# EAGLE board Mk4 Final a Panel score (EAGLE 9.0.1), part 7 of 24 (continued)
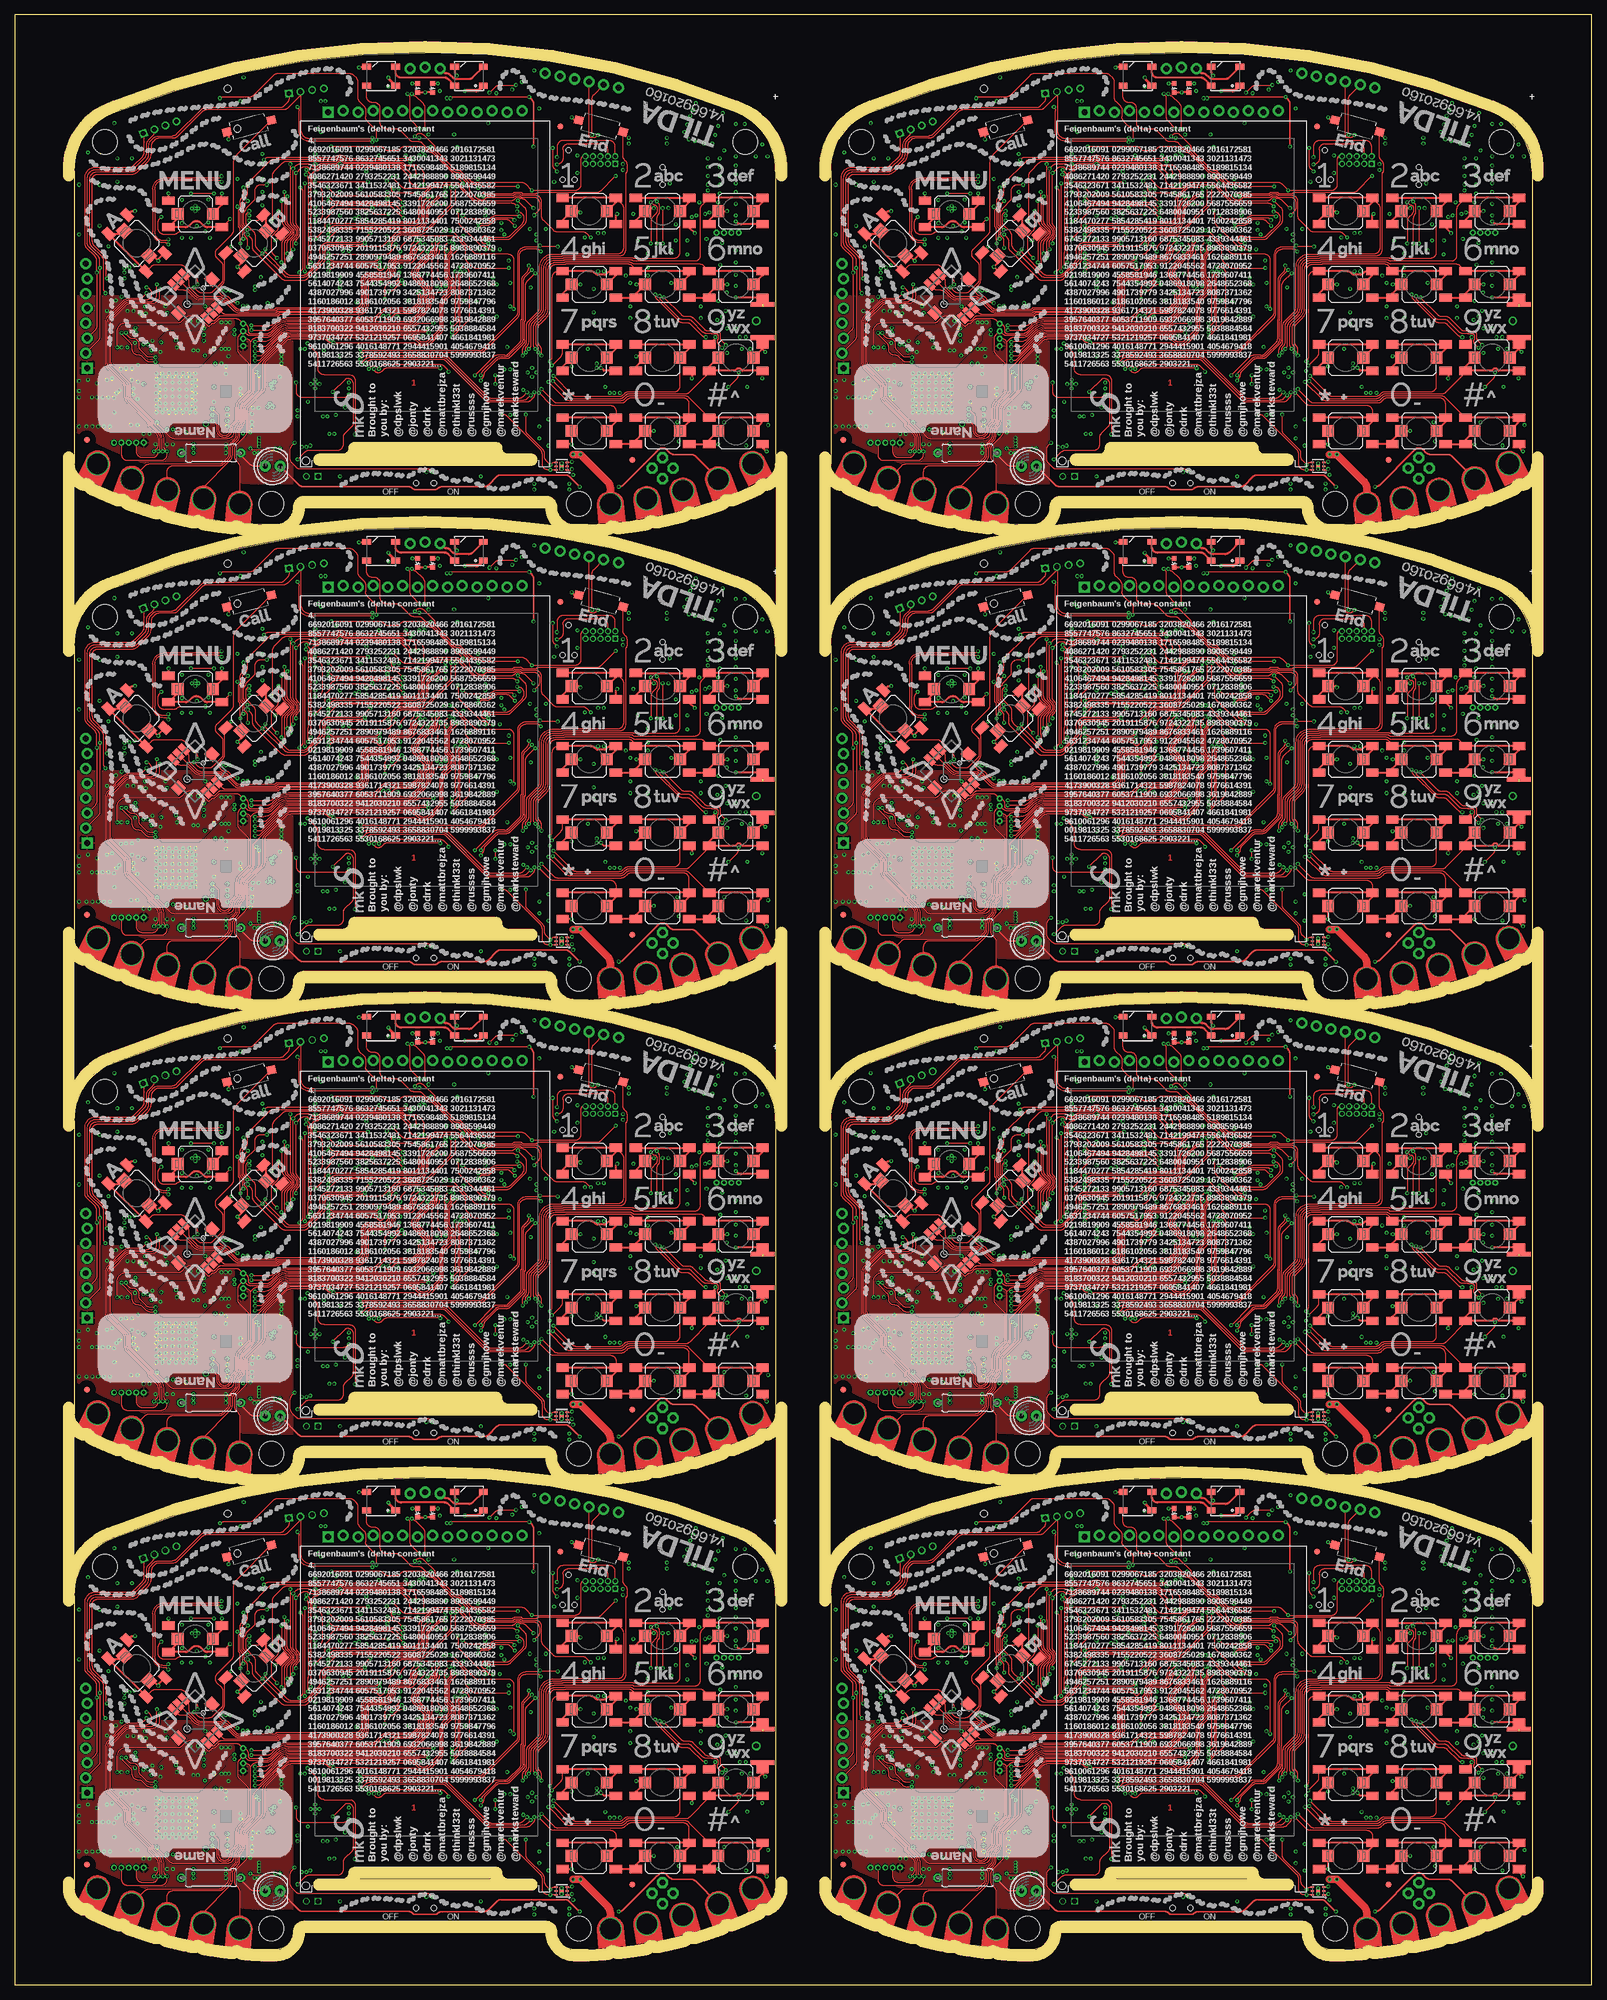
[diagram p0: board, top side]
## Tracks (layer width: path | path; a pad name or v marks a point on that pad's centre or on a via) (continued)
  Bottom 0.2: IC46.1 29.83,142.86 arc-45 30.05,143.4 v30.05,143.5 R233.1
AMP_!SHUTDOWN3  (via drill 0.3)
  Top 0.15: v163,143.5 v159.05,143.5
  3V3@2 0.15: v187.75,139.5 187.75,139.05 187.55,138.85 187.55,130.55 v184.5,127.5
  Bottom 0.15: IC56.46 190.78,139 arc45 190.42,138.85 190.29,138.72 arc-45 189.94,138.57 188.88,138.57 arc-45 188.53,138.72 v187.75,139.5 | v184.5,127.5 184.09,127.91 arc45 183.39,128.2 170.78,128.2 arc-45 170.64,128.26 170.56,128.34 arc45 170.42,128.4 169.76,128.4 arc-45 169.06,128.69 168.54,129.21 arc-45 168.25,129.91 168.25,131.34 arc45 167.96,132.04 166.47,133.53 arc45 166.12,133.68 165.91,133.68 arc-90 165.18,134.41 arc45 164.88,135.12 164.79,135.21 arc-45 164.5,135.91 164.5,140.59 arc45 164.21,141.29 163.29,142.21 arc-45 163,142.91 v163,143.5
  Bottom 0.2: IC64.1 158.82,142.86 arc-45 159.05,143.4 v159.05,143.5 R311.1
AMP_!SHUTDOWN4  (via drill 0.3)
  Top 0.15: v34,224.5 v30.05,224.5
  3V3@2 0.15: v58.75,220.5 58.75,220.05 58.55,219.85 58.55,211.55 v55.5,208.5
  Bottom 0.15: IC74.46 61.77,220 arc45 61.42,219.85 61.29,219.72 arc-45 60.94,219.57 59.88,219.57 arc-45 59.53,219.72 v58.75,220.5 | v55.5,208.5 55.09,208.91 arc45 54.39,209.2 41.78,209.2 arc-45 41.64,209.26 41.56,209.34 arc45 41.42,209.4 40.76,209.4 arc-45 40.06,209.69 39.54,210.21 arc-45 39.25,210.91 39.25,212.34 arc45 38.96,213.04 37.47,214.53 arc45 37.12,214.68 36.91,214.68 arc-90 36.17,215.41 arc45 35.88,216.12 35.79,216.21 arc-45 35.5,216.91 35.5,221.59 arc45 35.21,222.29 34.29,223.21 arc-45 34,223.91 v34,224.5
  Bottom 0.2: IC82.1 29.83,223.86 arc-45 30.05,224.4 v30.05,224.5 R389.1
AMP_!SHUTDOWN5  (via drill 0.3)
  Top 0.15: v163,224.5 v159.05,224.5
  3V3@2 0.15: v187.75,220.5 187.75,220.05 187.55,219.85 187.55,211.55 v184.5,208.5
  Bottom 0.15: IC92.46 190.78,220 arc45 190.42,219.85 190.29,219.72 arc-45 189.94,219.57 188.88,219.57 arc-45 188.53,219.72 v187.75,220.5 | v184.5,208.5 184.09,208.91 arc45 183.39,209.2 170.78,209.2 arc-45 170.64,209.26 170.56,209.34 arc45 170.42,209.4 169.76,209.4 arc-45 169.06,209.69 168.54,210.21 arc-45 168.25,210.91 168.25,212.34 arc45 167.96,213.04 166.47,214.53 arc45 166.12,214.68 165.91,214.68 arc-90 165.18,215.41 arc45 164.88,216.12 164.79,216.21 arc-45 164.5,216.91 164.5,221.59 arc45 164.21,222.29 163.29,223.21 arc-45 163,223.91 v163,224.5
  Bottom 0.2: IC100.1 158.82,223.86 arc-45 159.05,224.4 v159.05,224.5 R467.1
AMP_!SHUTDOWN6  (via drill 0.3)
  Top 0.15: v34,305.5 v30.05,305.5
  3V3@2 0.15: v58.75,301.5 58.75,301.05 58.55,300.85 58.55,292.55 v55.5,289.5
  Bottom 0.15: IC110.46 61.77,301 arc45 61.42,300.85 61.29,300.72 arc-45 60.94,300.57 59.88,300.57 arc-45 59.53,300.72 v58.75,301.5 | v55.5,289.5 55.09,289.91 arc45 54.39,290.2 41.78,290.2 arc-45 41.64,290.26 41.56,290.34 arc45 41.42,290.4 40.76,290.4 arc-45 40.06,290.69 39.54,291.21 arc-45 39.25,291.91 39.25,293.34 arc45 38.96,294.04 37.47,295.53 arc45 37.12,295.68 36.91,295.68 arc-90 36.17,296.41 arc45 35.88,297.12 35.79,297.21 arc-45 35.5,297.91 35.5,302.59 arc45 35.21,303.29 34.29,304.21 arc-45 34,304.91 v34,305.5
  Bottom 0.2: IC118.1 29.83,304.86 arc-45 30.05,305.4 v30.05,305.5 R545.1
AMP_!SHUTDOWN7  (via drill 0.3)
  Top 0.15: v163,305.5 v159.05,305.5
  3V3@2 0.15: v187.75,301.5 187.75,301.05 187.55,300.85 187.55,292.55 v184.5,289.5
  Bottom 0.15: IC128.46 190.78,301 arc45 190.42,300.85 190.29,300.72 arc-45 189.94,300.57 188.88,300.57 arc-45 188.53,300.72 v187.75,301.5 | v184.5,289.5 184.09,289.91 arc45 183.39,290.2 170.78,290.2 arc-45 170.64,290.26 170.56,290.34 arc45 170.42,290.4 169.76,290.4 arc-45 169.06,290.69 168.54,291.21 arc-45 168.25,291.91 168.25,293.34 arc45 167.96,294.04 166.47,295.53 arc45 166.12,295.68 165.91,295.68 arc-90 165.18,296.41 arc45 164.88,297.12 164.79,297.21 arc-45 164.5,297.91 164.5,302.59 arc45 164.21,303.29 163.29,304.21 arc-45 163,304.91 v163,305.5
  Bottom 0.2: IC136.1 158.82,304.86 arc-45 159.05,305.4 v159.05,305.5 R623.1
AMP_IN_N
  Bottom 0.2: 31.42,64.47 R58.2 31.45,63.55 R78.2 31.77,63.23 IC13.4
AMP_IN_N1
  Bottom 0.2: 160.43,64.47 R136.2 160.45,63.55 R154.2 160.78,63.23 IC28.4
AMP_IN_N2
  Bottom 0.2: 31.42,145.47 R214.2 31.45,144.55 R232.2 31.77,144.22 IC46.4
AMP_IN_N3
  Bottom 0.2: 160.43,145.47 R292.2 160.45,144.55 R310.2 160.78,144.22 IC64.4
AMP_IN_N4
  Bottom 0.2: 31.42,226.47 R370.2 31.45,225.55 R388.2 31.77,225.22 IC82.4
AMP_IN_N5
  Bottom 0.2: 160.43,226.47 R448.2 160.45,225.55 R466.2 160.78,225.22 IC100.4
AMP_IN_N6
  Bottom 0.2: 31.42,307.48 R526.2 31.45,306.55 R544.2 31.77,306.23 IC118.4
AMP_IN_N7
  Bottom 0.2: 160.43,307.48 R604.2 160.45,306.55 R622.2 160.78,306.23 IC136.4
AMP_IN_P
  Bottom 0.2: R57.2 R77.2 31.45,67.5 | J9.3 36.76,75.04 arc45 36.05,74.75 J9.2 34.1,72.8 33.8,72.8 31.74,70.74 arc45 31.45,70.04 31.45,67.5 | R75.2 31.45,67.5
AMP_IN_P1
  Bottom 0.2: R135.2 R153.2 160.45,67.5 | J17.3 165.76,75.04 arc45 165.05,74.75 J17.2 163.11,72.8 162.8,72.8 160.74,70.74 arc45 160.45,70.04 160.45,67.5 | R156.2 160.45,67.5
AMP_IN_P2
  Bottom 0.2: R213.2 R231.2 31.45,148.5 | J27.3 36.76,156.04 arc45 36.05,155.75 J27.2 34.1,153.8 33.8,153.8 31.74,151.74 arc45 31.45,151.04 31.45,148.5 | R234.2 31.45,148.5
AMP_IN_P3
  Bottom 0.2: R291.2 R309.2 160.45,148.5 | J37.3 165.76,156.04 arc45 165.05,155.75 J37.2 163.11,153.8 162.8,153.8 160.74,151.74 arc45 160.45,151.04 160.45,148.5 | R312.2 160.45,148.5
AMP_IN_P4
  Bottom 0.2: R369.2 R387.2 31.45,229.5 | J47.3 36.76,237.04 arc45 36.05,236.75 J47.2 34.1,234.8 33.8,234.8 31.74,232.74 arc45 31.45,232.04 31.45,229.5 | R390.2 31.45,229.5
AMP_IN_P5
  Bottom 0.2: R447.2 R465.2 160.45,229.5 | J57.3 165.76,237.04 arc45 165.05,236.75 J57.2 163.11,234.8 162.8,234.8 160.74,232.74 arc45 160.45,232.04 160.45,229.5 | R468.2 160.45,229.5
AMP_IN_P6
  Bottom 0.2: R525.2 R543.2 31.45,310.5 | J67.3 36.76,318.04 arc45 36.05,317.75 J67.2 34.1,315.8 33.8,315.8 31.74,313.74 arc45 31.45,313.04 31.45,310.5 | R546.2 31.45,310.5
AMP_IN_P7
  Bottom 0.2: R603.2 R621.2 160.45,310.5 | J77.3 165.76,318.04 arc45 165.05,317.75 J77.2 163.11,315.8 162.8,315.8 160.74,313.74 arc45 160.45,313.04 160.45,310.5 | R624.2 160.45,310.5
AMP_IN_R1_N
  Bottom 0.15: C106.1 R78.1
AMP_IN_R1_N1
  Bottom 0.15: C214.1 R154.1
AMP_IN_R1_N2
  Bottom 0.15: C322.1 R232.1
AMP_IN_R1_N3
  Bottom 0.15: C430.1 R310.1
AMP_IN_R1_N4
  Bottom 0.15: C538.1 R388.1
AMP_IN_R1_N5
  Bottom 0.15: C646.1 R466.1
AMP_IN_R1_N6
  Bottom 0.15: C754.1 R544.1
AMP_IN_R1_N7
  Bottom 0.15: C862.1 R622.1
AMP_IN_R1_P
  Bottom 0.15: C105.1 R77.1
AMP_IN_R1_P1
  Bottom 0.15: C213.1 R153.1
AMP_IN_R1_P2
  Bottom 0.15: C321.1 R231.1
AMP_IN_R1_P3
  Bottom 0.15: C429.1 R309.1
AMP_IN_R1_P4
  Bottom 0.15: C537.1 R387.1
AMP_IN_R1_P5
  Bottom 0.15: C645.1 R465.1
AMP_IN_R1_P6
  Bottom 0.15: C753.1 R543.1
AMP_IN_R1_P7
  Bottom 0.15: C861.1 R621.1
AMP_IN_R_N
  Bottom 0.2: R58.1 C82.1
AMP_IN_R_N1
  Bottom 0.2: R136.1 C183.1
AMP_IN_R_N2
  Bottom 0.2: R214.1 C291.1
AMP_IN_R_N3
  Bottom 0.2: R292.1 C399.1
AMP_IN_R_N4
  Bottom 0.2: R370.1 C507.1
AMP_IN_R_N5
  Bottom 0.2: R448.1 C615.1
AMP_IN_R_N6
  Bottom 0.2: R526.1 C723.1
AMP_IN_R_N7
  Bottom 0.2: R604.1 C831.1
AMP_IN_R_P
  Bottom 0.2: R57.1 C83.1
AMP_IN_R_P1
  Bottom 0.2: R135.1 C184.1
AMP_IN_R_P2
  Bottom 0.2: R213.1 C292.1
AMP_IN_R_P3
  Bottom 0.2: R291.1 C400.1
AMP_IN_R_P4
  Bottom 0.2: R369.1 C508.1
AMP_IN_R_P5
  Bottom 0.2: R447.1 C616.1
AMP_IN_R_P6
  Bottom 0.2: R525.1 C724.1
AMP_IN_R_P7
  Bottom 0.2: R603.1 C832.1
AMP_IN_TRS_P
  Bottom 0.2: J9.5 42.71,73.83 arc45 43,74.54 43,75.35 arc90 42,76.35 40.51,76.35 arc45 39.81,76.06 39.54,75.79 arc-45 38.84,75.5 34.08,75.5 J9.6 33.32,75.41 arc45 32.62,75.12 32.29,74.79 arc45 32,74.09 32,72.01 arc-45 31.71,71.31 30.79,70.39 arc45 30.5,69.69 R75.1 30.5,63.66 arc45 30.79,62.96 30.83,62.92 arc-45 31.12,62.21 IC13.3
AMP_IN_TRS_P1
  Bottom 0.2: J17.5 171.71,73.83 arc45 172,74.54 172,75.35 arc90 171,76.35 169.51,76.35 arc45 168.81,76.06 168.54,75.79 arc-45 167.84,75.5 163.08,75.5 J17.6 162.32,75.41 arc45 161.62,75.12 161.29,74.79 arc45 161,74.09 161,72.01 arc-45 160.71,71.31 159.79,70.39 arc45 159.5,69.69 R156.1 159.5,63.66 arc45 159.79,62.96 159.83,62.92 arc-45 160.12,62.21 IC28.3
AMP_IN_TRS_P2
  Bottom 0.2: J27.5 42.71,154.83 arc45 43,155.54 43,156.35 arc90 42,157.35 40.51,157.35 arc45 39.81,157.06 39.54,156.79 arc-45 38.84,156.5 34.08,156.5 J27.6 33.32,156.41 arc45 32.62,156.12 32.29,155.79 arc45 32,155.09 32,153.01 arc-45 31.71,152.31 30.79,151.39 arc45 30.5,150.69 R234.1 30.5,144.66 arc45 30.79,143.96 30.83,143.92 arc-45 31.12,143.21 IC46.3
AMP_IN_TRS_P3
  Bottom 0.2: J37.5 171.71,154.83 arc45 172,155.54 172,156.35 arc90 171,157.35 169.51,157.35 arc45 168.81,157.06 168.54,156.79 arc-45 167.84,156.5 163.08,156.5 J37.6 162.32,156.41 arc45 161.62,156.12 161.29,155.79 arc45 161,155.09 161,153.01 arc-45 160.71,152.31 159.79,151.39 arc45 159.5,150.69 R312.1 159.5,144.66 arc45 159.79,143.96 159.83,143.92 arc-45 160.12,143.21 IC64.3
AMP_IN_TRS_P4
  Bottom 0.2: J47.5 42.71,235.83 arc45 43,236.54 43,237.35 arc90 42,238.35 40.51,238.35 arc45 39.81,238.06 39.54,237.79 arc-45 38.84,237.5 34.08,237.5 J47.6 33.32,237.41 arc45 32.62,237.12 32.29,236.79 arc45 32,236.09 32,234.01 arc-45 31.71,233.31 30.79,232.39 arc45 30.5,231.69 R390.1 30.5,225.66 arc45 30.79,224.96 30.83,224.92 arc-45 31.12,224.21 IC82.3
AMP_IN_TRS_P5
  Bottom 0.2: J57.5 171.71,235.83 arc45 172,236.54 172,237.35 arc90 171,238.35 169.51,238.35 arc45 168.81,238.06 168.54,237.79 arc-45 167.84,237.5 163.08,237.5 J57.6 162.32,237.41 arc45 161.62,237.12 161.29,236.79 arc45 161,236.09 161,234.01 arc-45 160.71,233.31 159.79,232.39 arc45 159.5,231.69 R468.1 159.5,225.66 arc45 159.79,224.96 159.83,224.92 arc-45 160.12,224.21 IC100.3
AMP_IN_TRS_P6
  Bottom 0.2: J67.5 42.71,316.83 arc45 43,317.54 43,318.35 arc90 42,319.35 40.51,319.35 arc45 39.81,319.06 39.54,318.79 arc-45 38.84,318.5 34.08,318.5 J67.6 33.32,318.41 arc45 32.62,318.12 32.29,317.79 arc45 32,317.09 32,315.01 arc-45 31.71,314.31 30.79,313.39 arc45 30.5,312.69 R546.1 30.5,306.66 arc45 30.79,305.96 30.83,305.92 arc-45 31.12,305.21 IC118.3
AMP_IN_TRS_P7
  Bottom 0.2: J77.5 171.71,316.83 arc45 172,317.54 172,318.35 arc90 171,319.35 169.51,319.35 arc45 168.81,319.06 168.54,318.79 arc-45 167.84,318.5 163.08,318.5 J77.6 162.32,318.41 arc45 161.62,318.12 161.29,317.79 arc45 161,317.09 161,315.01 arc-45 160.71,314.31 159.79,313.39 arc45 159.5,312.69 R624.1 159.5,306.66 arc45 159.79,305.96 159.83,305.92 arc-45 160.12,305.21 IC136.3
BQ_!CE
  Bottom 0.15: R17.1 IC8.9
BQ_!CE1
  Bottom 0.15: R99.1 IC24.9
BQ_!CE2
  Bottom 0.15: R177.1 IC42.9
BQ_!CE3
  Bottom 0.15: R255.1 IC60.9
BQ_!CE4
  Bottom 0.15: R333.1 IC78.9
BQ_!CE5
  Bottom 0.15: R411.1 IC96.9
BQ_!CE6
  Bottom 0.15: R489.1 IC114.9
BQ_!CE7
  Bottom 0.15: R567.1 IC132.9
BQ_!INT  (via drill 0.3)
  Top 0.15: v71,53.2 71,52.66 arc-45 70.85,52.31 68.58,50.04 arc90 68.58,47.92 70.08,46.42 arc-45 70.3,45.89 70.3,45.53 arc-45 70.15,45.18 69.95,44.97 arc45 69.8,44.62 69.8,44.33 arc-45 69.29,43.09 68.81,42.61 arc-45 67.58,42.1 65.41,42.1 arc45 64.71,41.81 64.05,41.15 arc-90 63.35,41.15 v62.9,41.6
  Bottom 0.15: v71,53.2 IC1.14 | IC8.7 61.9,31.25 arc90 62.9,32.25 v62.9,41.6
BQ_!INT1  (via drill 0.3)
  Top 0.15: v200,53.2 200,52.66 arc-45 199.85,52.31 197.58,50.04 arc90 197.58,47.92 199.08,46.42 arc-45 199.3,45.89 199.3,45.53 arc-45 199.15,45.18 198.95,44.97 arc45 198.8,44.62 198.8,44.33 arc-45 198.29,43.09 197.81,42.61 arc-45 196.57,42.1 194.41,42.1 arc45 193.71,41.81 193.05,41.15 arc-90 192.35,41.15 v191.9,41.6
  Bottom 0.15: v200,53.2 IC20.14 | IC24.7 190.9,31.25 arc90 191.9,32.25 v191.9,41.6
BQ_!INT2  (via drill 0.3)
  Top 0.15: v71,134.2 71,133.67 arc-45 70.85,133.31 68.58,131.04 arc90 68.58,128.92 70.08,127.42 arc-45 70.3,126.89 70.3,126.53 arc-45 70.15,126.18 69.95,125.97 arc45 69.8,125.62 69.8,125.33 arc-45 69.29,124.09 68.81,123.61 arc-45 67.58,123.1 65.41,123.1 arc45 64.71,122.81 64.05,122.15 arc-90 63.35,122.15 v62.9,122.6
  Bottom 0.15: v71,134.2 IC38.14 | IC42.7 61.9,112.25 arc90 62.9,113.25 v62.9,122.6
BQ_!INT3  (via drill 0.3)
  Top 0.15: v200,134.2 200,133.67 arc-45 199.85,133.31 197.58,131.04 arc90 197.58,128.92 199.08,127.42 arc-45 199.3,126.89 199.3,126.53 arc-45 199.15,126.18 198.95,125.97 arc45 198.8,125.62 198.8,125.33 arc-45 198.29,124.09 197.81,123.61 arc-45 196.57,123.1 194.41,123.1 arc45 193.71,122.81 193.05,122.15 arc-90 192.35,122.15 v191.9,122.6
  Bottom 0.15: v200,134.2 IC56.14 | IC60.7 190.9,112.25 arc90 191.9,113.25 v191.9,122.6
BQ_!INT4  (via drill 0.3)
  Top 0.15: v71,215.2 71,214.66 arc-45 70.85,214.31 68.58,212.04 arc90 68.58,209.92 70.08,208.42 arc-45 70.3,207.89 70.3,207.53 arc-45 70.15,207.18 69.95,206.97 arc45 69.8,206.62 69.8,206.32 arc-45 69.29,205.09 68.81,204.61 arc-45 67.58,204.1 65.41,204.1 arc45 64.71,203.81 64.05,203.15 arc-90 63.35,203.15 v62.9,203.6
  Bottom 0.15: v71,215.2 IC74.14 | IC78.7 61.9,193.25 arc90 62.9,194.25 v62.9,203.6
BQ_!INT5  (via drill 0.3)
  Top 0.15: v200,215.2 200,214.66 arc-45 199.85,214.31 197.58,212.04 arc90 197.58,209.92 199.08,208.42 arc-45 199.3,207.89 199.3,207.53 arc-45 199.15,207.18 198.95,206.97 arc45 198.8,206.62 198.8,206.32 arc-45 198.29,205.09 197.81,204.61 arc-45 196.57,204.1 194.41,204.1 arc45 193.71,203.81 193.05,203.15 arc-90 192.35,203.15 v191.9,203.6
  Bottom 0.15: v200,215.2 IC92.14 | IC96.7 190.9,193.25 arc90 191.9,194.25 v191.9,203.6
BQ_!INT6  (via drill 0.3)
  Top 0.15: v71,296.2 71,295.67 arc-45 70.85,295.31 68.58,293.04 arc90 68.58,290.92 70.08,289.42 arc-45 70.3,288.89 70.3,288.53 arc-45 70.15,288.18 69.95,287.97 arc45 69.8,287.62 69.8,287.32 arc-45 69.29,286.09 68.81,285.61 arc-45 67.58,285.1 65.41,285.1 arc45 64.71,284.81 64.05,284.15 arc-90 63.35,284.15 v62.9,284.6
  Bottom 0.15: v71,296.2 IC110.14 | IC114.7 61.9,274.25 arc90 62.9,275.25 v62.9,284.6
BQ_!INT7  (via drill 0.3)
  Top 0.15: v200,296.2 200,295.67 arc-45 199.85,295.31 197.58,293.04 arc90 197.58,290.92 199.08,289.42 arc-45 199.3,288.89 199.3,288.53 arc-45 199.15,288.18 198.95,287.97 arc45 198.8,287.62 198.8,287.32 arc-45 198.29,286.09 197.81,285.61 arc-45 196.57,285.1 194.41,285.1 arc45 193.71,284.81 193.05,284.15 arc-90 192.35,284.15 v191.9,284.6
  Bottom 0.15: v200,296.2 IC128.14 | IC132.7 190.9,274.25 arc90 191.9,275.25 v191.9,284.6
BQ_!QON  (via drill 0.3)
  Top 0.15: v54.25,28.7 56.41,30.86 arc-45 56.75,31 arc-90 57.75,30 57.75,23.41 arc-45 57.46,22.71 56.29,21.54 arc45 56,20.84 56,19.65 arc-90 55,18.65 50.16,18.65 arc45 49.46,18.36 v48.25,17.15
  Bottom 0.15: IC8.12 54.2,28.75 v54.25,28.7 | JP3.2 48.54,15.46 arc-45 48.25,16.16 v48.25,17.15
BQ_!QON1  (via drill 0.3)
  Top 0.15: v183.25,28.7 185.41,30.86 arc-45 185.75,31 arc-90 186.75,30 186.75,23.41 arc-45 186.46,22.71 185.29,21.54 arc45 185,20.84 185,19.65 arc-90 184,18.65 179.16,18.65 arc45 178.46,18.36 v177.25,17.15
  Bottom 0.15: IC24.12 183.2,28.75 v183.25,28.7 | JP13.2 177.54,15.46 arc-45 177.25,16.16 v177.25,17.15
BQ_!QON2  (via drill 0.3)
  Top 0.15: v54.25,109.7 56.41,111.86 arc-45 56.75,112 arc-90 57.75,111 57.75,104.41 arc-45 57.46,103.71 56.29,102.54 arc45 56,101.84 56,100.65 arc-90 55,99.65 50.16,99.65 arc45 49.46,99.36 v48.25,98.15
  Bottom 0.15: IC42.12 54.2,109.75 v54.25,109.7 | JP22.2 48.54,96.46 arc-45 48.25,97.16 v48.25,98.15
BQ_!QON3  (via drill 0.3)
  Top 0.15: v183.25,109.7 185.41,111.86 arc-45 185.75,112 arc-90 186.75,111 186.75,104.41 arc-45 186.46,103.71 185.29,102.54 arc45 185,101.84 185,100.65 arc-90 184,99.65 179.16,99.65 arc45 178.46,99.36 v177.25,98.15
  Bottom 0.15: IC60.12 183.2,109.75 v183.25,109.7 | JP31.2 177.54,96.46 arc-45 177.25,97.16 v177.25,98.15
BQ_!QON4  (via drill 0.3)
  Top 0.15: v54.25,190.7 56.41,192.86 arc-45 56.75,193 arc-90 57.75,192 57.75,185.41 arc-45 57.46,184.71 56.29,183.54 arc45 56,182.84 56,181.65 arc-90 55,180.65 50.16,180.65 arc45 49.46,180.36 v48.25,179.15
  Bottom 0.15: IC78.12 54.2,190.75 v54.25,190.7 | JP40.2 48.54,177.46 arc-45 48.25,178.16 v48.25,179.15
BQ_!QON5  (via drill 0.3)
  Top 0.15: v183.25,190.7 185.41,192.86 arc-45 185.75,193 arc-90 186.75,192 186.75,185.41 arc-45 186.46,184.71 185.29,183.54 arc45 185,182.84 185,181.65 arc-90 184,180.65 179.16,180.65 arc45 178.46,180.36 v177.25,179.15
  Bottom 0.15: IC96.12 183.2,190.75 v183.25,190.7 | JP49.2 177.54,177.46 arc-45 177.25,178.16 v177.25,179.15
BQ_!QON6  (via drill 0.3)
  Top 0.15: v54.25,271.7 56.41,273.86 arc-45 56.75,274 arc-90 57.75,273 57.75,266.41 arc-45 57.46,265.71 56.29,264.54 arc45 56,263.84 56,262.65 arc-90 55,261.65 50.16,261.65 arc45 49.46,261.36 v48.25,260.15
  Bottom 0.15: IC114.12 54.2,271.75 v54.25,271.7 | JP58.2 48.54,258.46 arc-45 48.25,259.16 v48.25,260.15
BQ_!QON7  (via drill 0.3)
  Top 0.15: v183.25,271.7 185.41,273.86 arc-45 185.75,274 arc-90 186.75,273 186.75,266.41 arc-45 186.46,265.71 185.29,264.54 arc45 185,263.84 185,262.65 arc-90 184,261.65 179.16,261.65 arc45 178.46,261.36 v177.25,260.15
  Bottom 0.15: IC132.12 183.2,271.75 v183.25,271.7 | JP67.2 177.54,258.46 arc-45 177.25,259.16 v177.25,260.15
BQ_PMID
  Bottom 0.3: IC8.23 48.42,30.75
  Bottom 0.4: C36.1 47.3,31.04 47.92,31.04 arc-45 48.27,30.9 48.42,30.75
BQ_PMID1
  Bottom 0.3: IC24.23 177.42,30.75
  Bottom 0.4: C148.1 176.31,31.04 176.92,31.04 arc-45 177.27,30.9 177.42,30.75
BQ_PMID2
  Bottom 0.3: IC42.23 48.42,111.75
  Bottom 0.4: C256.1 47.3,112.04 47.92,112.04 arc-45 48.27,111.9 48.42,111.75
BQ_PMID3
  Bottom 0.3: IC60.23 177.42,111.75
  Bottom 0.4: C364.1 176.31,112.04 176.92,112.04 arc-45 177.27,111.9 177.42,111.75
BQ_PMID4
  Bottom 0.3: IC78.23 48.42,192.75
  Bottom 0.4: C472.1 47.3,193.04 47.92,193.04 arc-45 48.27,192.9 48.42,192.75
BQ_PMID5
  Bottom 0.3: IC96.23 177.42,192.75
  Bottom 0.4: C580.1 176.31,193.04 176.92,193.04 arc-45 177.27,192.9 177.42,192.75
BQ_PMID6
  Bottom 0.3: IC114.23 48.42,273.75
  Bottom 0.4: C688.1 47.3,274.05 47.92,274.05 arc-45 48.27,273.9 48.42,273.75
BQ_PMID7
  Bottom 0.3: IC132.23 177.42,273.75
  Bottom 0.4: C796.1 176.31,274.05 176.92,274.05 arc-45 177.27,273.9 177.42,273.75
BQ_PSEL
  Bottom 0.15: IC8.2 50.5,35.25 R19.1 R18.1
BQ_PSEL1
  Bottom 0.15: IC24.2 179.5,35.25 R101.1 R100.1
BQ_PSEL2
  Bottom 0.15: IC42.2 50.5,116.25 R179.1 R178.1
BQ_PSEL3
  Bottom 0.15: IC60.2 179.5,116.25 R257.1 R256.1
BQ_PSEL4
  Bottom 0.15: IC78.2 50.5,197.25 R335.1 R334.1
BQ_PSEL5
  Bottom 0.15: IC96.2 179.5,197.25 R413.1 R412.1
BQ_PSEL6
  Bottom 0.15: IC114.2 50.5,278.25 R491.1 R490.1
BQ_PSEL7
  Bottom 0.15: IC132.2 179.5,278.25 R569.1 R568.1
BQ_REGN  (via drill 0.3)
  Top 0.2: v48,30.25 48,28.75 arc90 49,27.75 56.09,27.75 arc45 56.79,28.04 v57,28.25
  Bottom 0.25: IC8.22 v48,30.25
  Bottom 0.3: R16.2 v57,28.25
  Bottom 0.4: C39.2 v48,30.25
BQ_REGN1  (via drill 0.3)
  Top 0.2: v177,30.25 177,28.75 arc90 178,27.75 185.09,27.75 arc45 185.79,28.04 v186,28.25
  Bottom 0.25: IC24.22 v177,30.25
  Bottom 0.3: R98.2 v186,28.25
  Bottom 0.4: C149.2 v177,30.25
BQ_REGN2  (via drill 0.3)
  Top 0.2: v48,111.25 48,109.75 arc90 49,108.75 56.09,108.75 arc45 56.79,109.04 v57,109.25
  Bottom 0.25: IC42.22 v48,111.25
  Bottom 0.3: R176.2 v57,109.25
  Bottom 0.4: C257.2 v48,111.25
BQ_REGN3  (via drill 0.3)
  Top 0.2: v177,111.25 177,109.75 arc90 178,108.75 185.09,108.75 arc45 185.79,109.04 v186,109.25
  Bottom 0.25: IC60.22 v177,111.25
  Bottom 0.3: R254.2 v186,109.25
  Bottom 0.4: C365.2 v177,111.25
BQ_REGN4  (via drill 0.3)
  Top 0.2: v48,192.25 48,190.75 arc90 49,189.75 56.09,189.75 arc45 56.79,190.04 v57,190.25
  Bottom 0.25: IC78.22 v48,192.25
  Bottom 0.3: R332.2 v57,190.25
  Bottom 0.4: C473.2 v48,192.25
BQ_REGN5  (via drill 0.3)
  Top 0.2: v177,192.25 177,190.75 arc90 178,189.75 185.09,189.75 arc45 185.79,190.04 v186,190.25
  Bottom 0.25: IC96.22 v177,192.25
  Bottom 0.3: R410.2 v186,190.25
  Bottom 0.4: C581.2 v177,192.25
BQ_REGN6  (via drill 0.3)
  Top 0.2: v48,273.25 48,271.75 arc90 49,270.75 56.09,270.75 arc45 56.79,271.04 v57,271.25
  Bottom 0.25: IC114.22 v48,273.25
  Bottom 0.3: R488.2 v57,271.25
  Bottom 0.4: C689.2 v48,273.25
BQ_REGN7  (via drill 0.3)
  Top 0.2: v177,273.25 177,271.75 arc90 178,270.75 185.09,270.75 arc45 185.79,271.04 v186,271.25
  Bottom 0.25: IC132.22 v177,273.25
  Bottom 0.3: R566.2 v186,271.25
  Bottom 0.4: C797.2 v177,273.25
BQ_STAT
  Bottom 0.15: IC8.4 51.5,33.25 R20.1
BQ_STAT1
  Bottom 0.15: IC24.4 180.5,33.25 R102.1
BQ_STAT2
  Bottom 0.15: IC42.4 51.5,114.25 R180.1
BQ_STAT3
  Bottom 0.15: IC60.4 180.5,114.25 R258.1
BQ_STAT4
  Bottom 0.15: IC78.4 51.5,195.25 R336.1
BQ_STAT5
  Bottom 0.15: IC96.4 180.5,195.25 R414.1
BQ_STAT6
  Bottom 0.15: IC114.4 51.5,276.25 R492.1
BQ_STAT7
  Bottom 0.15: IC132.4 180.5,276.25 R570.1
BQ_STAT_R
  Bottom 0.15: LED6.C 52,34.75 R20.2
BQ_STAT_R1
  Bottom 0.15: LED12.C 181,34.75 R102.2
BQ_STAT_R2
  Bottom 0.15: LED18.C 52,115.75 R180.2
BQ_STAT_R3
  Bottom 0.15: LED24.C 181,115.75 R258.2
BQ_STAT_R4
  Bottom 0.15: LED30.C 52,196.75 R336.2
BQ_STAT_R5
  Bottom 0.15: LED36.C 181,196.75 R414.2
BQ_STAT_R6
  Bottom 0.15: LED42.C 52,277.75 R492.2
BQ_STAT_R7
  Bottom 0.15: LED48.C 181,277.75 R570.2
BQ_SW
  pour Bottom (no thermals): 49.5,29.3 48.3,29.3 47.85,28.85 arc-45 47.49,28.7 47.01,28.7 arc-45 46.65,28.85 46.5,29 46.5,29.45 46.05,29.45 45.3,28.7 arc45 45.15,28.34 45.15,26.5 47.5,26.5 arc90 48,27 48,27.79 arc-45 48.15,28.15 48.7,28.7 49.5,28.7
BQ_SW1
  pour Bottom (no thermals): 178.5,29.3 177.3,29.3 176.85,28.85 arc-45 176.49,28.7 176.01,28.7 arc-45 175.65,28.85 175.5,29 175.5,29.45 175.05,29.45 174.3,28.7 arc45 174.15,28.34 174.15,26.5 176.5,26.5 arc90 177,27 177,27.79 arc-45 177.15,28.15 177.7,28.7 178.5,28.7
BQ_SW2
  pour Bottom (no thermals): 49.5,110.3 48.3,110.3 47.85,109.85 arc-45 47.49,109.7 47.01,109.7 arc-45 46.65,109.85 46.5,110 46.5,110.45 46.05,110.45 45.3,109.7 arc45 45.15,109.34 45.15,107.5 47.5,107.5 arc90 48,108 48,108.79 arc-45 48.15,109.15 48.7,109.7 49.5,109.7
BQ_SW3
  pour Bottom (no thermals): 178.5,110.3 177.3,110.3 176.85,109.85 arc-45 176.49,109.7 176.01,109.7 arc-45 175.65,109.85 175.5,110 175.5,110.45 175.05,110.45 174.3,109.7 arc45 174.15,109.34 174.15,107.5 176.5,107.5 arc90 177,108 177,108.79 arc-45 177.15,109.15 177.7,109.7 178.5,109.7
BQ_SW4
  pour Bottom (no thermals): 49.5,191.3 48.3,191.3 47.85,190.85 arc-45 47.49,190.7 47.01,190.7 arc-45 46.65,190.85 46.5,191 46.5,191.45 46.05,191.45 45.3,190.7 arc45 45.15,190.34 45.15,188.5 47.5,188.5 arc90 48,189 48,189.79 arc-45 48.15,190.15 48.7,190.7 49.5,190.7
BQ_SW5
  pour Bottom (no thermals): 178.5,191.3 177.3,191.3 176.85,190.85 arc-45 176.49,190.7 176.01,190.7 arc-45 175.65,190.85 175.5,191 175.5,191.45 175.05,191.45 174.3,190.7 arc45 174.15,190.34 174.15,188.5 176.5,188.5 arc90 177,189 177,189.79 arc-45 177.15,190.15 177.7,190.7 178.5,190.7
BQ_SW6
  pour Bottom (no thermals): 49.5,272.3 48.3,272.3 47.85,271.85 arc-45 47.49,271.7 47.01,271.7 arc-45 46.65,271.85 46.5,272 46.5,272.45 46.05,272.45 45.3,271.7 arc45 45.15,271.34 45.15,269.5 47.5,269.5 arc90 48,270 48,270.79 arc-45 48.15,271.15 48.7,271.7 49.5,271.7
BQ_SW7
  pour Bottom (no thermals): 178.5,272.3 177.3,272.3 176.85,271.85 arc-45 176.49,271.7 176.01,271.7 arc-45 175.65,271.85 175.5,272 175.5,272.45 175.05,272.45 174.3,271.7 arc45 174.15,271.34 174.15,269.5 176.5,269.5 arc90 177,270 177,270.79 arc-45 177.15,271.15 177.7,271.7 178.5,271.7
BQ_TS
  Bottom 0.15: R16.1 R15.2 IC8.11
BQ_TS1
  Bottom 0.15: R98.1 R97.2 IC24.11
BQ_TS2
  Bottom 0.15: R176.1 R175.2 IC42.11
BQ_TS3
  Bottom 0.15: R254.1 R253.2 IC60.11
BQ_TS4
  Bottom 0.15: R332.1 R331.2 IC78.11
BQ_TS5
  Bottom 0.15: R410.1 R409.2 IC96.11
BQ_TS6
  Bottom 0.15: R488.1 R487.2 IC114.11
BQ_TS7
  Bottom 0.15: R566.1 R565.2 IC132.11
BT_ANT
  Bottom 0.4: IC5.20 113.8,57 arc-90 116.8,60 117.25,60 arc90 119.25,62 119.25,69.5 arc-21 120,70.5 arc-6 C74.2 arc-6 L5.1
BT_ANT1
  Bottom 0.4: IC21.20 242.8,57 arc-90 245.8,60 246.25,60 arc90 248.25,62 248.25,69.5 arc-21 249,70.5 arc-6 C175.2 arc-6 L14.1
BT_ANT2
  Bottom 0.4: IC39.20 113.8,138 arc-90 116.8,141 117.25,141 arc90 119.25,143 119.25,150.5 arc-21 120,151.5 arc-6 C283.2 arc-6 L23.1
BT_ANT3
  Bottom 0.4: IC57.20 242.8,138 arc-90 245.8,141 246.25,141 arc90 248.25,143 248.25,150.5 arc-21 249,151.5 arc-6 C391.2 arc-6 L32.1
BT_ANT4
  Bottom 0.4: IC75.20 113.8,219 arc-90 116.8,222 117.25,222 arc90 119.25,224 119.25,231.5 arc-21 120,232.5 arc-6 C499.2 arc-6 L41.1
BT_ANT5
  Bottom 0.4: IC93.20 242.8,219 arc-90 245.8,222 246.25,222 arc90 248.25,224 248.25,231.5 arc-21 249,232.5 arc-6 C607.2 arc-6 L50.1
BT_ANT6
  Bottom 0.4: IC111.20 113.8,300 arc-90 116.8,303 117.25,303 arc90 119.25,305 119.25,312.5 arc-21 120,313.5 arc-6 C715.2 arc-6 L59.1
BT_ANT7
  Bottom 0.4: IC129.20 242.8,300 arc-90 245.8,303 246.25,303 arc90 248.25,305 248.25,312.5 arc-21 249,313.5 arc-6 C823.2 arc-6 L68.1
BT_ANT_L
  Bottom 0.4: L5.2 arc-10 C75.2 121.28,74.22 arc85 121,74.75 arc15 ANT2.1
BT_ANT_L1
  Bottom 0.4: L14.2 arc-10 C176.2 250.28,74.22 arc85 250,74.75 arc15 ANT4.1
BT_ANT_L2
  Bottom 0.4: L23.2 arc-10 C284.2 121.28,155.22 arc85 121,155.75 arc15 ANT6.1
BT_ANT_L3
  Bottom 0.4: L32.2 arc-10 C392.2 250.28,155.22 arc85 250,155.75 arc15 ANT8.1
BT_ANT_L4